# Allegro board 1156197-TDI_VU3P_QSFP28_CXP_V001_1023A-166-20241121_1644_PCB.brd (continued)
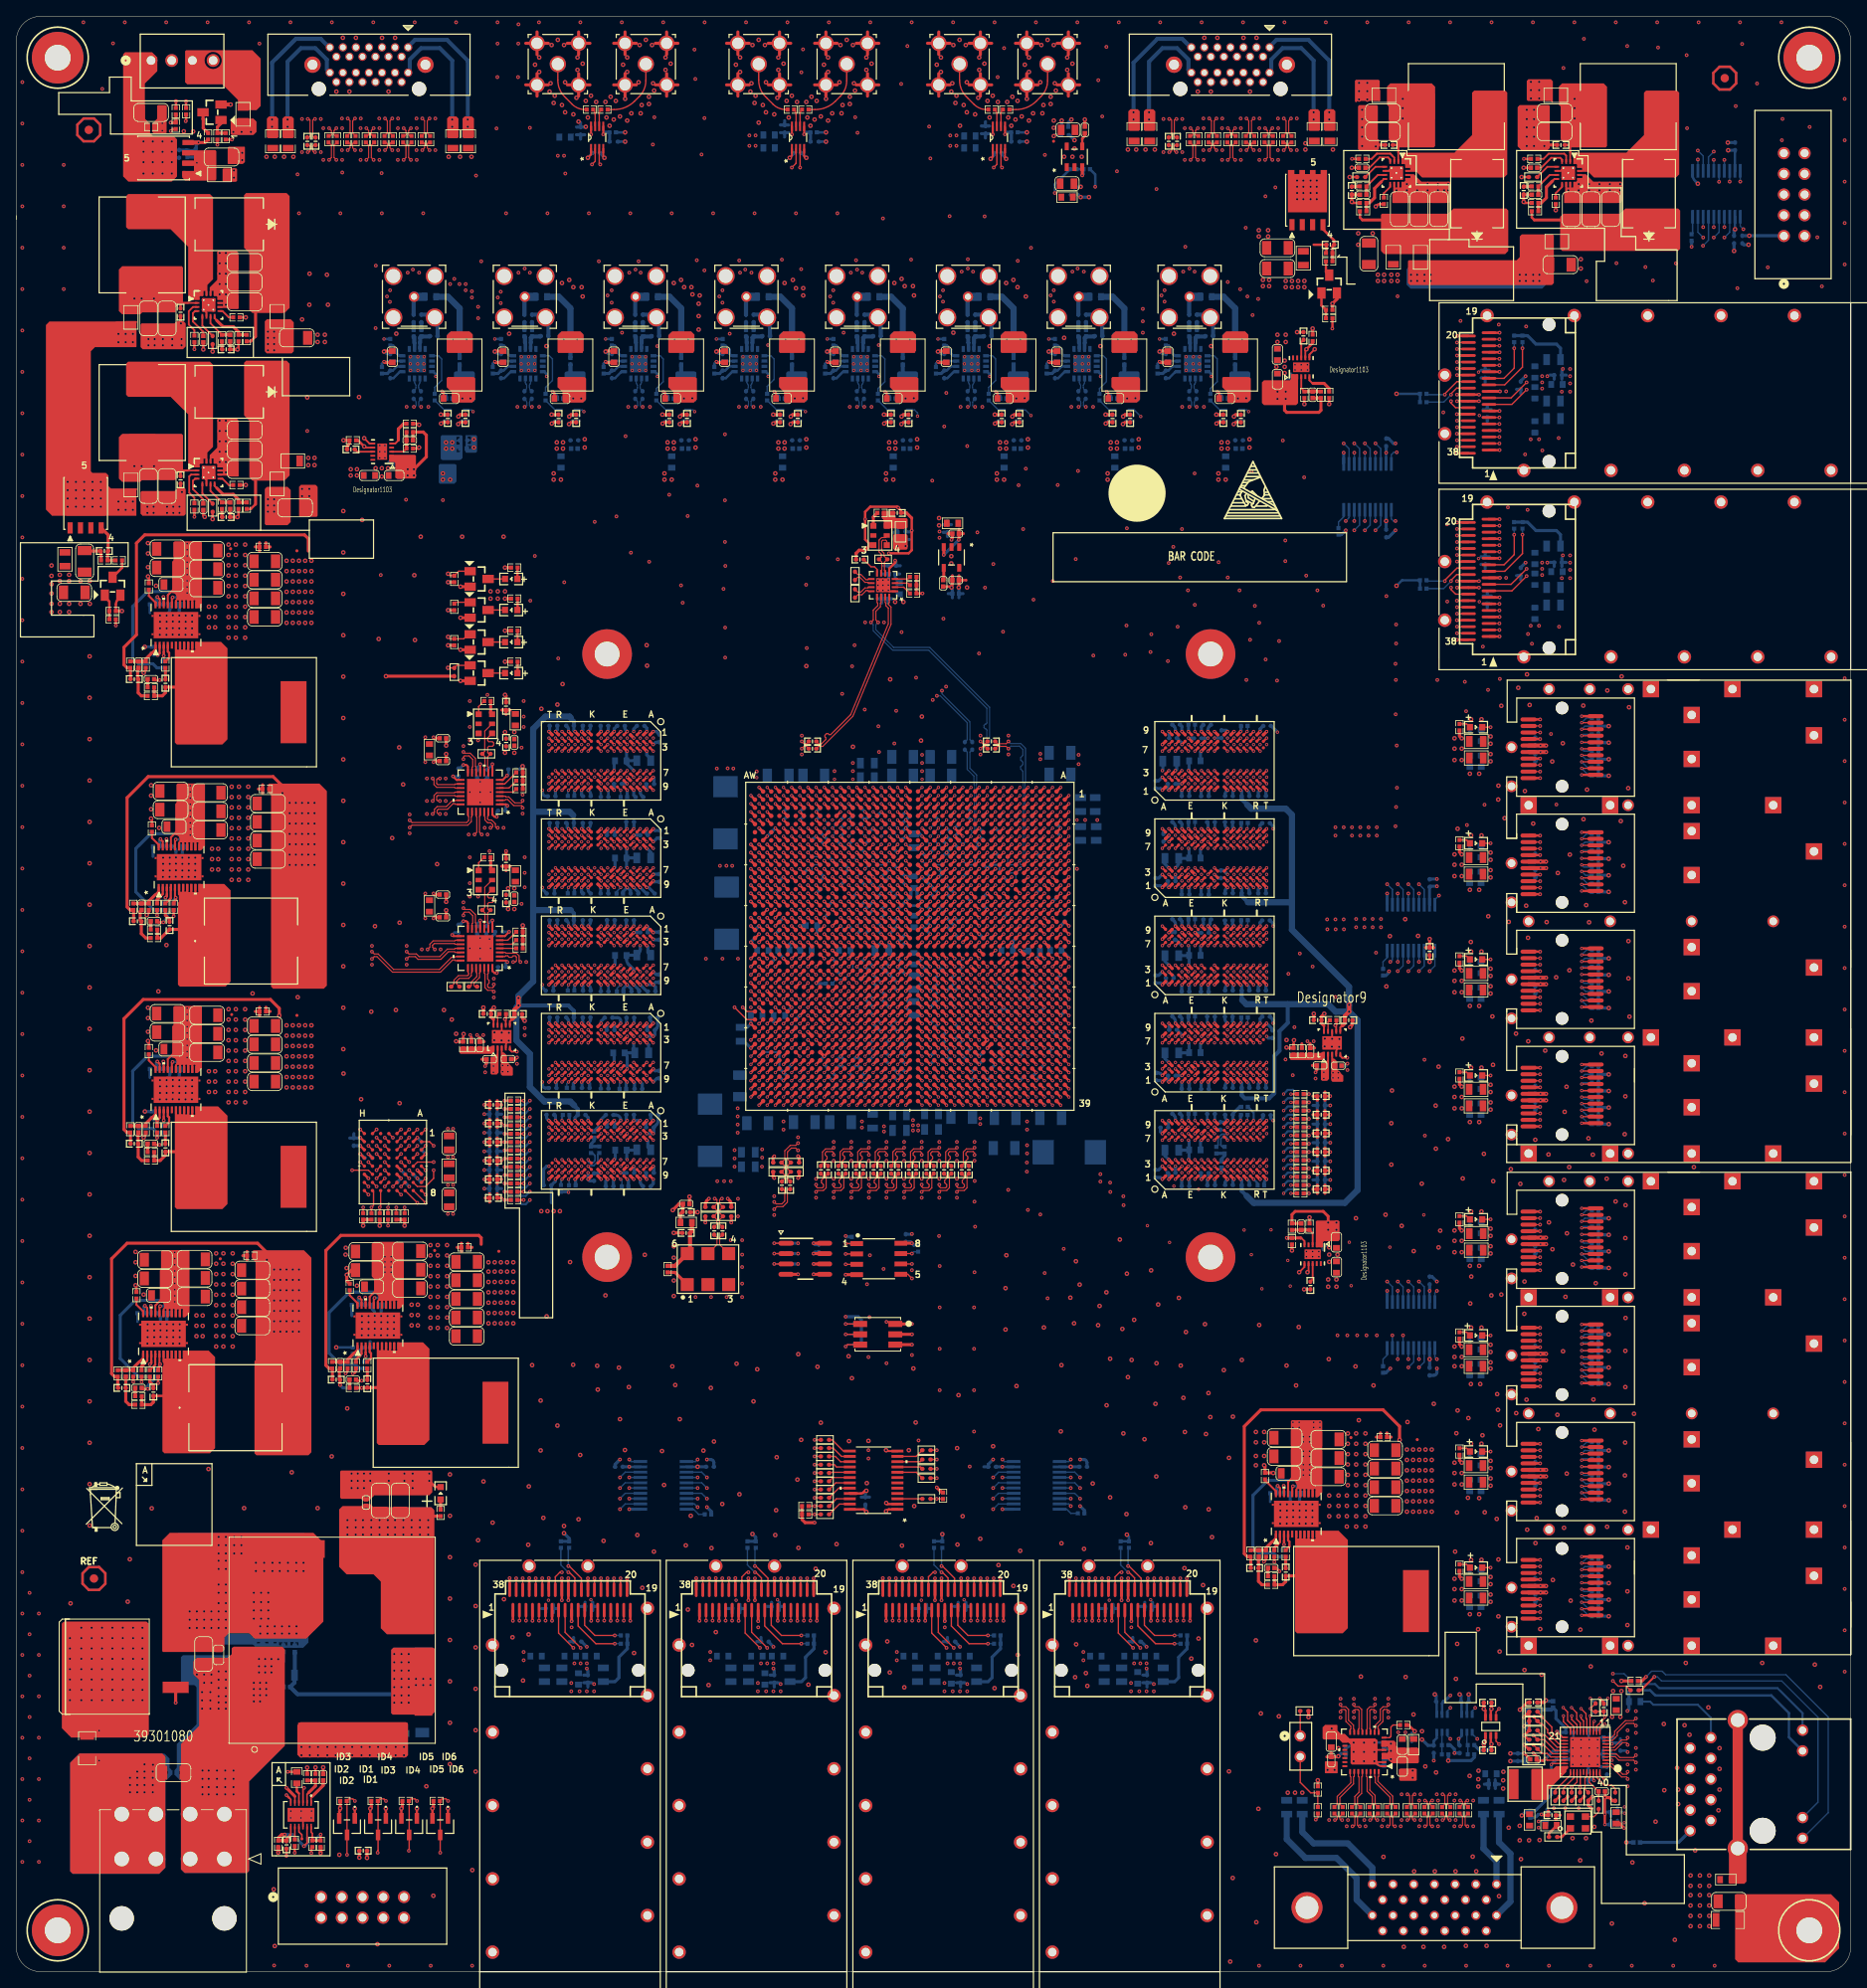
[diagram p0: board, top side]
## Nets (continued)
CHA_FPGA_DDR4_C1_DM1: U1.AK15(IO_L7P_T1L_N0_QBC_AD13P_67) U7.E2(UDM_N/UDBI_N)
CHA_FPGA_DDR4_C1_DM2: U1.AP16(IO_L13P_T2L_N0_GC_QBC_67) U8.E7(LDM_N/LDBI_N)
CHA_FPGA_DDR4_C1_DM3: U1.AV16(IO_L19P_T3L_N0_DBC_AD9P_67) U8.E2(UDM_N/UDBI_N)
CHA_FPGA_DDR4_C1_DM4: U1.AG19(IO_L1P_T0L_N0_DBC_66) U9.E7(LDM_N/LDBI_N)
CHA_FPGA_DDR4_C1_DM5: U1.AL18(IO_L7P_T1L_N0_QBC_AD13P_66) U9.E2(UDM_N/UDBI_N)
CHA_FPGA_DDR4_C1_DM6: U1.AP21(IO_L13P_T2L_N0_GC_QBC_66) U11.E7(LDM_N/LDBI_N)
CHA_FPGA_DDR4_C1_DM7: U1.AU20(IO_L19P_T3L_N0_DBC_AD9P_66) U11.E2(UDM_N/UDBI_N)
CHA_FPGA_DDR4_C1_DM8: U1.AR9(IO_L13P_T2L_N0_GC_QBC_68) U10.E7(LDM_N/LDBI_N)
CHA_FPGA_DDR4_C1_DM9: U1.AU9(IO_L19P_T3L_N0_DBC_AD9P_68) U10.E2(UDM_N/UDBI_N)
CHA_FPGA_DDR4_C1_DQS0_N: U1.AH15(IO_L4N_T0U_N7_DBC_AD7N_67) U7.F3(LDQS_C)
CHA_FPGA_DDR4_C1_DQS0_P: U1.AH16(IO_L4P_T0U_N6_DBC_AD7P_67) U7.G3(LDQS_T)
CHA_FPGA_DDR4_C1_DQS1_N: TP17.1(PIN1) U1.AL16(IO_L10N_T1U_N7_QBC_AD4N_67) U7.A7(UDQS_C)
CHA_FPGA_DDR4_C1_DQS1_P: TP16.1(PIN1) U1.AK16(IO_L10P_T1U_N6_QBC_AD4P_67) U7.B7(UDQS_T)
CHA_FPGA_DDR4_C1_DQS2_N: U1.AT13(IO_L16N_T2U_N7_QBC_AD3N_67) U8.F3(LDQS_C)
CHA_FPGA_DDR4_C1_DQS2_P: U1.AR13(IO_L16P_T2U_N6_QBC_AD3P_67) U8.G3(LDQS_T)
CHA_FPGA_DDR4_C1_DQS3_N: TP20.1(PIN1) U1.AV17(IO_L22N_T3U_N7_DBC_AD0N_67) U8.A7(UDQS_C)
CHA_FPGA_DDR4_C1_DQS3_P: TP19.1(PIN1) U1.AU17(IO_L22P_T3U_N6_DBC_AD0P_67) U8.B7(UDQS_T)
CHA_FPGA_DDR4_C1_DQS4_N: U1.AH20(IO_L4N_T0U_N7_DBC_AD7N_66) U9.F3(LDQS_C)
CHA_FPGA_DDR4_C1_DQS4_P: U1.AG20(IO_L4P_T0U_N6_DBC_AD7P_66) U9.G3(LDQS_T)
CHA_FPGA_DDR4_C1_DQS5_N: TP27.1(PIN1) U1.AL21(IO_L10N_T1U_N7_QBC_AD4N_66) U9.A7(UDQS_C)
CHA_FPGA_DDR4_C1_DQS5_P: TP25.1(PIN1) U1.AK21(IO_L10P_T1U_N6_QBC_AD4P_66) U9.B7(UDQS_T)
CHA_FPGA_DDR4_C1_DQS6_N: U1.AP22(IO_L16N_T2U_N7_QBC_AD3N_66) U11.F3(LDQS_C)
CHA_FPGA_DDR4_C1_DQS6_P: U1.AN22(IO_L16P_T2U_N6_QBC_AD3P_66) U11.G3(LDQS_T)
CHA_FPGA_DDR4_C1_DQS7_N: TP30.1(PIN1) U1.AV21(IO_L22N_T3U_N7_DBC_AD0N_66) U11.A7(UDQS_C)
CHA_FPGA_DDR4_C1_DQS7_P: TP29.1(PIN1) U1.AV22(IO_L22P_T3U_N6_DBC_AD0P_66) U11.B7(UDQS_T)
CHA_FPGA_DDR4_C1_DQS8_N: U1.AN11(IO_L16N_T2U_N7_QBC_AD3N_68) U10.F3(LDQS_C)
CHA_FPGA_DDR4_C1_DQS8_P: U1.AN12(IO_L16P_T2U_N6_QBC_AD3P_68) U10.G3(LDQS_T)
CHA_FPGA_DDR4_C1_DQS9_N: TP26.1(PIN1) U1.AU12(IO_L22N_T3U_N7_DBC_AD0N_68) U10.A7(UDQS_C)
CHA_FPGA_DDR4_C1_DQS9_P: TP24.1(PIN1) U1.AT12(IO_L22P_T3U_N6_DBC_AD0P_68) U10.B7(UDQS_T)
CHA_FPGA_DDR4_C1_ODT: R119.1 U1.AL8(IO_L8P_T1L_N2_AD5P_68) U7.K3(ODT) U8.K3(ODT) U9.K3(ODT) U10.K3(ODT) U11.K3(ODT)
CHA_FPGA_DDR4_C1_PARITY: R124.1 U1.AG12(IO_L1P_T0L_N0_DBC_68) U7.T3(PAR) U8.T3(PAR) U9.T3(PAR) U10.T3(PAR) U11.T3(PAR)
CHA_FPGA_DDR4_C1_RAS: R116.1 U1.AP7(IO_T2U_N12_68) U7.L8(RAS_N/A16) U8.L8(RAS_N/A16) U9.L8(RAS_N/A16) U10.L8(RAS_N/A16) U11.L8(RAS_N/A16)
CHA_FPGA_DDR4_C1_RESET: R94.2 U1.AK13(IO_T1U_N12_67) U7.P1(RESET_N) U8.P1(RESET_N) U9.P1(RESET_N) U10.P1(RESET_N) U11.P1(RESET_N)
CHA_FPGA_DDR4_C1_WE: R118.1 U1.AK11(IO_L9P_T1L_N4_AD12P_68) U7.L2(WE_N/A14) U8.L2(WE_N/A14) U9.L2(WE_N/A14) U10.L2(WE_N/A14) U11.L2(WE_N/A14)
CHA_FPGA_DDR4_C2_A0: R138.1 U1.J8(IO_L7P_T1L_N0_QBC_AD13P_47) U13.P3(A0) U14.P3(A0) U15.P3(A0) U16.P3(A0) U17.P3(A0)
CHA_FPGA_DDR4_C2_A1: R139.1 U1.M10(IO_L3N_T0L_N5_AD15N_47) U13.P7(A1) U14.P7(A1) U15.P7(A1) U16.P7(A1) U17.P7(A1)
CHA_FPGA_DDR4_C2_A2: R140.1 U1.J9(IO_L9N_T1L_N5_AD12N_47) U13.R3(A2) U14.R3(A2) U15.R3(A2) U16.R3(A2) U17.R3(A2)
CHA_FPGA_DDR4_C2_A3: R141.1 U1.N9(IO_L2P_T0L_N2_47) U13.N7(A3) U14.N7(A3) U15.N7(A3) U16.N7(A3) U17.N7(A3)
CHA_FPGA_DDR4_C2_A4: R142.1 U1.K10(IO_L6N_T0U_N11_AD6N_47) U13.N3(A4) U14.N3(A4) U15.N3(A4) U16.N3(A4) U17.N3(A4)
CHA_FPGA_DDR4_C2_A5: R143.1 U1.L12(IO_L4N_T0U_N7_DBC_AD7N_47) U13.P8(A5) U14.P8(A5) U15.P8(A5) U16.P8(A5) U17.P8(A5)
CHA_FPGA_DDR4_C2_A6: R144.1 U1.C9(IO_L19N_T3L_N1_DBC_AD9N_47) U13.P2(A6) U14.P2(A6) U15.P2(A6) U16.P2(A6) U17.P2(A6)
CHA_FPGA_DDR4_C2_A7: R145.1 U1.M11(IO_L3P_T0L_N4_AD15P_47) U13.R8(A7) U14.R8(A7) U15.R8(A7) U16.R8(A7) U17.R8(A7)
CHA_FPGA_DDR4_C2_A8: R146.1 U1.H7(IO_L7N_T1L_N1_QBC_AD13N_47) U13.R2(A8) U14.R2(A8) U15.R2(A8) U16.R2(A8) U17.R2(A8)
CHA_FPGA_DDR4_C2_A9: R147.1 U1.N12(IO_L1P_T0L_N0_DBC_47) U13.R7(A9) U14.R7(A9) U15.R7(A9) U16.R7(A9) U17.R7(A9)
CHA_FPGA_DDR4_C2_A10: R148.1 U1.J10(IO_L9P_T1L_N4_AD12P_47) U13.M3(A10/AP) U14.M3(A10/AP) U15.M3(A10/AP) U16.M3(A10/AP) U17.M3(A10/AP)
CHA_FPGA_DDR4_C2_A11: R149.1 U1.H9(IO_L8P_T1L_N2_AD5P_47) U13.T2(A11) U14.T2(A11) U15.T2(A11) U16.T2(A11) U17.T2(A11)
CHA_FPGA_DDR4_C2_A12: R150.1 U1.M9(IO_L2N_T0L_N3_47) U13.M7(A12/BC_N) U14.M7(A12/BC_N) U15.M7(A12/BC_N) U16.M7(A12/BC_N) U17.M7(A12/BC_N)
CHA_FPGA_DDR4_C2_A13: R151.1 U1.M12(IO_L4P_T0U_N6_DBC_AD7P_47) U13.T8(A13) U14.T8(A13) U15.T8(A13) U16.T8(A13) U17.T8(A13)
CHA_FPGA_DDR4_C2_ACT: R165.1 U1.C13(IO_T3U_N12_47) U13.L3(ACT_B) U14.L3(ACT_B) U15.L3(ACT_B) U16.L3(ACT_B) U17.L3(ACT_B)
CHA_FPGA_DDR4_C2_ALERT: R135.2 R136.2 U1.C17(IO_T3U_N12_48) U13.P9(ALERT_N) U14.P9(ALERT_N) U15.P9(ALERT_N) U16.P9(ALERT_N) U17.P9(ALERT_N)
CHA_FPGA_DDR4_C2_BA0: R152.1 U1.H11(IO_L11N_T1U_N9_GC_47) U13.N2(BA0) U14.N2(BA0) U15.N2(BA0) U16.N2(BA0) U17.N2(BA0)
CHA_FPGA_DDR4_C2_BA1: R153.1 U1.K12(IO_T1U_N12_47) U13.N8(BA1) U14.N8(BA1) U15.N8(BA1) U16.N8(BA1) U17.N8(BA1)
CHA_FPGA_DDR4_C2_BG0: R159.1 U1.H8(IO_L8N_T1L_N3_AD5N_47) U13.M2(BG0) U14.M2(BG0) U15.M2(BG0) U16.M2(BG0) U17.M2(BG0)
CHA_FPGA_DDR4_C2_CAS: R160.1 U1.L10(IO_L5P_T0U_N8_AD14P_47) U13.M8(CAS_N/A15) U14.M8(CAS_N/A15) U15.M8(CAS_N/A15) U16.M8(CAS_N/A15) U17.M8(CAS_N/A15)
CHA_FPGA_DDR4_C2_CK_N: R169.1 U1.G12(IO_L10N_T1U_N7_QBC_AD4N_47) U13.K8(CK_C) U14.K8(CK_C) U15.K8(CK_C) U16.K8(CK_C) U17.K8(CK_C)
CHA_FPGA_DDR4_C2_CK_P: R168.1 U1.H12(IO_L10P_T1U_N6_QBC_AD4P_47) U13.K7(CK_T) U14.K7(CK_T) U15.K7(CK_T) U16.K7(CK_T) U17.K7(CK_T)
CHA_FPGA_DDR4_C2_CKE: R163.1 U1.D10(IO_T2U_N12_47) U13.K2(CKE) U14.K2(CKE) U15.K2(CKE) U16.K2(CKE) U17.K2(CKE)
CHA_FPGA_DDR4_C2_CS: R156.1 U1.L9(IO_L5N_T0U_N9_AD14N_47) U13.L7(CS_B) U14.L7(CS_B) U15.L7(CS_B) U16.L7(CS_B) U17.L7(CS_B)
CHA_FPGA_DDR4_C2_D0: U1.N16(IO_L3P_T0L_N4_AD15P_48) U13.G2(DQ0)
CHA_FPGA_DDR4_C2_D1: U1.M15(IO_L5P_T0U_N8_AD14P_48) U13.F7(DQ1)
CHA_FPGA_DDR4_C2_D2: U1.N17(IO_L2N_T0L_N3_48) U13.H3(DQ2)
CHA_FPGA_DDR4_C2_D3: U1.M16(IO_L3N_T0L_N5_AD15N_48) U13.H7(DQ3)
CHA_FPGA_DDR4_C2_D4: U1.M17(IO_L6P_T0U_N10_AD6P_48) U13.H2(DQ4)
CHA_FPGA_DDR4_C2_D5: U1.M14(IO_L5N_T0U_N9_AD14N_48) U13.H8(DQ5)
CHA_FPGA_DDR4_C2_D6: U1.N18(IO_L2P_T0L_N2_48) U13.J3(DQ6)
CHA_FPGA_DDR4_C2_D7: U1.L17(IO_L6N_T0U_N11_AD6N_48) U13.J7(DQ7)
CHA_FPGA_DDR4_C2_D8: U1.J15(IO_L11N_T1U_N9_GC_48) U13.A3(DQ8)
CHA_FPGA_DDR4_C2_D9: U1.H14(IO_L9N_T1L_N5_AD12N_48) U13.B8(DQ9)
CHA_FPGA_DDR4_C2_D10: U1.J16(IO_L12P_T1U_N10_GC_48) U13.C3(DQ10)
CHA_FPGA_DDR4_C2_D11: U1.J14(IO_L9P_T1L_N4_AD12P_48) U13.C7(DQ11)
CHA_FPGA_DDR4_C2_D12: U1.K15(IO_L11P_T1U_N8_GC_48) U13.C2(DQ12)
CHA_FPGA_DDR4_C2_D13: U1.K13(IO_L8N_T1L_N3_AD5N_48) U13.C8(DQ13)
CHA_FPGA_DDR4_C2_D14: U1.H16(IO_L12N_T1U_N11_GC_48) U13.D3(DQ14)
CHA_FPGA_DDR4_C2_D15: TP31.1(PIN1) U1.L13(IO_L8P_T1L_N2_AD5P_48) U13.D7(DQ15)
CHA_FPGA_DDR4_C2_D16: U1.G17(IO_L15P_T2L_N4_AD11P_48) U14.G2(DQ0)
CHA_FPGA_DDR4_C2_D17: U1.F14(IO_L14N_T2L_N3_GC_48) U14.F7(DQ1)
CHA_FPGA_DDR4_C2_D18: U1.E15(IO_L17N_T2U_N9_AD10N_48) U14.H3(DQ2)
CHA_FPGA_DDR4_C2_D19: U1.F15(IO_L14P_T2L_N2_GC_48) U14.H7(DQ3)
CHA_FPGA_DDR4_C2_D20: U1.F17(IO_L18P_T2U_N10_AD2P_48) U14.H2(DQ4)
CHA_FPGA_DDR4_C2_D21: U1.G16(IO_L15N_T2L_N5_AD11N_48) U14.H8(DQ5)
CHA_FPGA_DDR4_C2_D22: U1.E17(IO_L18N_T2U_N11_AD2N_48) U14.J3(DQ6)
CHA_FPGA_DDR4_C2_D23: U1.E16(IO_L17P_T2U_N8_AD10P_48) U14.J7(DQ7)
CHA_FPGA_DDR4_C2_D24: U1.C16(IO_L21P_T3L_N4_AD8P_48) U14.A3(DQ8)
CHA_FPGA_DDR4_C2_D25: U1.B14(IO_L23P_T3U_N8_48) U14.B8(DQ9)
CHA_FPGA_DDR4_C2_D26: U1.A14(IO_L23N_T3U_N9_48) U14.C3(DQ10)
CHA_FPGA_DDR4_C2_D27: U1.B16(IO_L21N_T3L_N5_AD8N_48) U14.C7(DQ11)
CHA_FPGA_DDR4_C2_D28: U1.B17(IO_L24P_T3U_N10_48) U14.C2(DQ12)
CHA_FPGA_DDR4_C2_D29: U1.D16(IO_L20P_T3L_N2_AD1P_48) U14.C8(DQ13)
CHA_FPGA_DDR4_C2_D30: U1.A17(IO_L24N_T3U_N11_48) U14.D3(DQ14)
CHA_FPGA_DDR4_C2_D31: TP34.1(PIN1) U1.D15(IO_L20N_T3L_N3_AD1N_48) U14.D7(DQ15)
CHA_FPGA_DDR4_C2_D32: U1.B22(IO_L2P_T0L_N2_46) U15.G2(DQ0)
CHA_FPGA_DDR4_C2_D33: U1.A19(IO_L3P_T0L_N4_AD15P_46) U15.F7(DQ1)
CHA_FPGA_DDR4_C2_D34: U1.C19(IO_L6P_T0U_N10_AD6P_46) U15.H3(DQ2)
CHA_FPGA_DDR4_C2_D35: U1.A18(IO_L3N_T0L_N5_AD15N_46) U15.H7(DQ3)
CHA_FPGA_DDR4_C2_D36: U1.D18(IO_L5P_T0U_N8_AD14P_46) U15.H2(DQ4)
CHA_FPGA_DDR4_C2_D37: U1.B19(IO_L6N_T0U_N11_AD6N_46) U15.H8(DQ5)
CHA_FPGA_DDR4_C2_D38: U1.A22(IO_L2N_T0L_N3_46) U15.J3(DQ6)
CHA_FPGA_DDR4_C2_D39: U1.C18(IO_L5N_T0U_N9_AD14N_46) U15.J7(DQ7)
CHA_FPGA_DDR4_C2_D40: U1.G20(IO_L11P_T1U_N8_GC_46) U15.A3(DQ8)
CHA_FPGA_DDR4_C2_D41: U1.D21(IO_L8N_T1L_N3_AD5N_46) U15.B8(DQ9)
CHA_FPGA_DDR4_C2_D42: U1.G19(IO_L11N_T1U_N9_GC_46) U15.C3(DQ10)
CHA_FPGA_DDR4_C2_D43: U1.F20(IO_L12P_T1U_N10_GC_46) U15.C7(DQ11)
CHA_FPGA_DDR4_C2_D44: U1.E21(IO_L8P_T1L_N2_AD5P_46) U15.C2(DQ12)
CHA_FPGA_DDR4_C2_D45: U1.F19(IO_L12N_T1U_N11_GC_46) U15.C8(DQ13)
CHA_FPGA_DDR4_C2_D46: U1.E18(IO_L9N_T1L_N5_AD12N_46) U15.D3(DQ14)
CHA_FPGA_DDR4_C2_D47: TP39.1(PIN1) U1.F18(IO_L9P_T1L_N4_AD12P_46) U15.D7(DQ15)
CHA_FPGA_DDR4_C2_D48: U1.K18(IO_L17P_T2U_N8_AD10P_46) U17.G2(DQ0)
CHA_FPGA_DDR4_C2_D49: U1.G22(IO_L14P_T2L_N2_GC_46) U17.F7(DQ1)
CHA_FPGA_DDR4_C2_D50: U1.G21(IO_L14N_T2L_N3_GC_46) U17.H3(DQ2)
CHA_FPGA_DDR4_C2_D51: U1.J20(IO_L15P_T2L_N4_AD11P_46) U17.H7(DQ3)
CHA_FPGA_DDR4_C2_D52: U1.J18(IO_L17N_T2U_N9_AD10N_46) U17.H2(DQ4)
CHA_FPGA_DDR4_C2_D53: U1.J19(IO_L15N_T2L_N5_AD11N_46) U17.H8(DQ5)
CHA_FPGA_DDR4_C2_D54: U1.H18(IO_L18N_T2U_N11_AD2N_46) U17.J3(DQ6)
CHA_FPGA_DDR4_C2_D55: U1.H19(IO_L18P_T2U_N10_AD2P_46) U17.J7(DQ7)
CHA_FPGA_DDR4_C2_D56: U1.M21(IO_L24N_T3U_N11_46) U17.A3(DQ8)
CHA_FPGA_DDR4_C2_D57: U1.M20(IO_L21P_T3L_N4_AD8P_46) U17.B8(DQ9)
CHA_FPGA_DDR4_C2_D58: U1.N19(IO_L23P_T3U_N8_46) U17.C3(DQ10)
CHA_FPGA_DDR4_C2_D59: U1.M19(IO_L23N_T3U_N9_46) U17.C7(DQ11)
CHA_FPGA_DDR4_C2_D60: U1.M22(IO_L24P_T3U_N10_46) U17.C2(DQ12)
CHA_FPGA_DDR4_C2_D61: U1.L18(IO_L20N_T3L_N3_AD1N_46) U17.C8(DQ13)
CHA_FPGA_DDR4_C2_D62: U1.L20(IO_L21N_T3L_N5_AD8N_46) U17.D3(DQ14)
CHA_FPGA_DDR4_C2_D63: TP44.1(PIN1) U1.L19(IO_L20P_T3L_N2_AD1P_46) U17.D7(DQ15)
CHA_FPGA_DDR4_C2_D64: U1.F9(IO_L14N_T2L_N3_GC_47) U16.G2(DQ0)
CHA_FPGA_DDR4_C2_D65: U1.F8(IO_L15P_T2L_N4_AD11P_47) U16.F7(DQ1)
CHA_FPGA_DDR4_C2_D66: U1.E8(IO_L15N_T2L_N5_AD11N_47) U16.H3(DQ2)
CHA_FPGA_DDR4_C2_D67: U1.G9(IO_L14P_T2L_N2_GC_47) U16.H7(DQ3)
CHA_FPGA_DDR4_C2_D68: U1.E11(IO_L17P_T2U_N8_AD10P_47) U16.H2(DQ4)
CHA_FPGA_DDR4_C2_D69: U1.F12(IO_L18P_T2U_N10_AD2P_47) U16.H8(DQ5)
CHA_FPGA_DDR4_C2_D70: U1.D11(IO_L17N_T2U_N9_AD10N_47) U16.J3(DQ6)
CHA_FPGA_DDR4_C2_D71: TP37.1(PIN1) U1.E12(IO_L18N_T2U_N11_AD2N_47) U16.J7(DQ7)
CHA_FPGA_DDR4_C2_D72: U1.A12(IO_L24N_T3U_N11_47) U16.A3(DQ8)
CHA_FPGA_DDR4_C2_D73: U1.A9(IO_L20N_T3L_N3_AD1N_47) U16.B8(DQ9)
CHA_FPGA_DDR4_C2_D74: U1.B12(IO_L23N_T3U_N9_47) U16.C3(DQ10)
CHA_FPGA_DDR4_C2_D75: U1.B11(IO_L21N_T3L_N5_AD8N_47) U16.C7(DQ11)
CHA_FPGA_DDR4_C2_D76: U1.A13(IO_L24P_T3U_N10_47) U16.C2(DQ12)
CHA_FPGA_DDR4_C2_D77: U1.B9(IO_L20P_T3L_N2_AD1P_47) U16.C8(DQ13)
CHA_FPGA_DDR4_C2_D78: U1.C11(IO_L21P_T3L_N4_AD8P_47) U16.D3(DQ14)
CHA_FPGA_DDR4_C2_D79: TP38.1(PIN1) U1.C12(IO_L23P_T3U_N8_47) U16.D7(DQ15)
CHA_FPGA_DDR4_C2_DM0: U1.P14(IO_L1P_T0L_N0_DBC_48) U13.E7(LDM_N/LDBI_N)
CHA_FPGA_DDR4_C2_DM1: U1.J13(IO_L7P_T1L_N0_QBC_AD13P_48) U13.E2(UDM_N/UDBI_N)
CHA_FPGA_DDR4_C2_DM2: U1.G15(IO_L13P_T2L_N0_GC_QBC_48) U14.E7(LDM_N/LDBI_N)
CHA_FPGA_DDR4_C2_DM3: U1.D14(IO_L19P_T3L_N0_DBC_AD9P_48) U14.E2(UDM_N/UDBI_N)
CHA_FPGA_DDR4_C2_DM4: U1.B20(IO_L1P_T0L_N0_DBC_46) U15.E7(LDM_N/LDBI_N)
CHA_FPGA_DDR4_C2_DM5: U1.E20(IO_L7P_T1L_N0_QBC_AD13P_46) U15.E2(UDM_N/UDBI_N)
CHA_FPGA_DDR4_C2_DM6: U1.H22(IO_L13P_T2L_N0_GC_QBC_46) U17.E7(LDM_N/LDBI_N)
CHA_FPGA_DDR4_C2_DM7: U1.N22(IO_L19P_T3L_N0_DBC_AD9P_46) U17.E2(UDM_N/UDBI_N)
CHA_FPGA_DDR4_C2_DM8: U1.F10(IO_L13P_T2L_N0_GC_QBC_47) U16.E7(LDM_N/LDBI_N)
CHA_FPGA_DDR4_C2_DM9: U1.D9(IO_L19P_T3L_N0_DBC_AD9P_47) U16.E2(UDM_N/UDBI_N)
CHA_FPGA_DDR4_C2_DQS0_N: U1.L14(IO_L4N_T0U_N7_DBC_AD7N_48) U13.F3(LDQS_C)
CHA_FPGA_DDR4_C2_DQS0_P: U1.L15(IO_L4P_T0U_N6_DBC_AD7P_48) U13.G3(LDQS_T)
CHA_FPGA_DDR4_C2_DQS1_N: TP33.1(PIN1) U1.K16(IO_L10N_T1U_N7_QBC_AD4N_48) U13.A7(UDQS_C)
CHA_FPGA_DDR4_C2_DQS1_P: TP32.1(PIN1) U1.K17(IO_L10P_T1U_N6_QBC_AD4P_48) U13.B7(UDQS_T)
CHA_FPGA_DDR4_C2_DQS2_N: U1.E13(IO_L16N_T2U_N7_QBC_AD3N_48) U14.F3(LDQS_C)
CHA_FPGA_DDR4_C2_DQS2_P: U1.F13(IO_L16P_T2U_N6_QBC_AD3P_48) U14.G3(LDQS_T)
CHA_FPGA_DDR4_C2_DQS3_N: TP36.1(PIN1) U1.A15(IO_L22N_T3U_N7_DBC_AD0N_48) U14.A7(UDQS_C)
CHA_FPGA_DDR4_C2_DQS3_P: TP35.1(PIN1) U1.B15(IO_L22P_T3U_N6_DBC_AD0P_48) U14.B7(UDQS_T)
CHA_FPGA_DDR4_C2_DQS4_N: U1.B21(IO_L4N_T0U_N7_DBC_AD7N_46) U15.F3(LDQS_C)
CHA_FPGA_DDR4_C2_DQS4_P: U1.C21(IO_L4P_T0U_N6_DBC_AD7P_46) U15.G3(LDQS_T)
CHA_FPGA_DDR4_C2_DQS5_N: TP43.1(PIN1) U1.E22(IO_L10N_T1U_N7_QBC_AD4N_46) U15.A7(UDQS_C)
CHA_FPGA_DDR4_C2_DQS5_P: TP41.1(PIN1) U1.F22(IO_L10P_T1U_N6_QBC_AD4P_46) U15.B7(UDQS_T)
CHA_FPGA_DDR4_C2_DQS6_N: U1.K20(IO_L16N_T2U_N7_QBC_AD3N_46) U17.F3(LDQS_C)
CHA_FPGA_DDR4_C2_DQS6_P: U1.K21(IO_L16P_T2U_N6_QBC_AD3P_46) U17.G3(LDQS_T)
CHA_FPGA_DDR4_C2_DQS7_N: TP46.1(PIN1) U1.K22(IO_L22N_T3U_N7_DBC_AD0N_46) U17.A7(UDQS_C)
CHA_FPGA_DDR4_C2_DQS7_P: TP45.1(PIN1) U1.L22(IO_L22P_T3U_N6_DBC_AD0P_46) U17.B7(UDQS_T)
CHA_FPGA_DDR4_C2_DQS8_N: U1.F7(IO_L16N_T2U_N7_QBC_AD3N_47) U16.F3(LDQS_C)
CHA_FPGA_DDR4_C2_DQS8_P: U1.G7(IO_L16P_T2U_N6_QBC_AD3P_47) U16.G3(LDQS_T)
CHA_FPGA_DDR4_C2_DQS9_N: TP42.1(PIN1) U1.A10(IO_L22N_T3U_N7_DBC_AD0N_47) U16.A7(UDQS_C)
CHA_FPGA_DDR4_C2_DQS9_P: TP40.1(PIN1) U1.B10(IO_L22P_T3U_N6_DBC_AD0P_47) U16.B7(UDQS_T)
CHA_FPGA_DDR4_C2_ODT: R162.1 U1.E10(IO_L13N_T2L_N1_GC_QBC_47) U13.K3(ODT) U14.K3(ODT) U15.K3(ODT) U16.K3(ODT) U17.K3(ODT)
CHA_FPGA_DDR4_C2_PARITY: R167.1 U1.N11(IO_L1N_T0L_N1_DBC_47) U13.T3(PAR) U14.T3(PAR) U15.T3(PAR) U16.T3(PAR) U17.T3(PAR)
CHA_FPGA_DDR4_C2_RAS: R157.1 U1.K11(IO_L6P_T0U_N10_AD6P_47) U13.L8(RAS_N/A16) U14.L8(RAS_N/A16) U15.L8(RAS_N/A16) U16.L8(RAS_N/A16) U17.L8(RAS_N/A16)
CHA_FPGA_DDR4_C2_RESET: R137.2 U1.H17(IO_T1U_N12_48) U13.P1(RESET_N) U14.P1(RESET_N) U15.P1(RESET_N) U16.P1(RESET_N) U17.P1(RESET_N)
CHA_FPGA_DDR4_C2_WE: R161.1 U1.J11(IO_L11P_T1U_N8_GC_47) U13.L2(WE_N/A14) U14.L2(WE_N/A14) U15.L2(WE_N/A14) U16.L2(WE_N/A14) U17.L2(WE_N/A14)
CHA_FPGA_DONE_B: Q1.1(GATE) R10.2 U1.U9(DONE_0)
CHA_FPGA_INIT_B: R2.2 R4.2 U1.T10(INIT_B_0)
CHA_FPGA_MODE0: R15.2 R16.1 U1.P9(M0_0)
CHA_FPGA_MODE1: R13.2 R14.1 U1.P8(M1_0)
CHA_FPGA_MODE2: R11.2 R12.1 U1.P10(M2_0)
CHA_FPGA_POR_OVERRIDE: R8.2 R9.1 U1.V8(POR_OVERRIDE)
CHA_FPGA_PROG_B: R3.2 U1.V10(PROGRAM_B_0)
CHA_FPGA_PUDC_B: R5.2 R6.1 U1.U8(PUDC_B_0)
CHA_FPGA_TCK: D4.3 J1.1 R17.1 U1.Y10(TCK_0)
CHA_FPGA_TDI: D1.3 J1.9 R20.1 U1.AC9(TDI_0)
CHA_FPGA_TDO: D3.3 J1.3 R18.1 U1.Y9(TDO_0)
CHA_FPGA_TMS: D2.3 J1.5 R19.1 U1.AD10(TMS_0)
CHA_GPIO_1V8_1: U1.F27(IO_L8P_T1L_N2_AD5P_45) U4.1(A1)
CHA_GPIO_1V8_2: U1.E26(IO_L9N_T1L_N5_AD12N_45) U4.3(A2)
CHA_GPIO_1V8_3: U1.D25(IO_L7P_T1L_N0_QBC_AD13P_45) U4.4(A3)
CHA_GPIO_1V8_4: U1.E25(IO_L9P_T1L_N4_AD12P_45) U4.5(A4)
CHA_GPIO_1V8_5: U1.G25(IO_L11N_T1U_N9_GC_45) U4.6(A5)
CHA_GPIO_1V8_6: U1.F25(IO_L12N_T1U_N11_GC_45) U4.7(A6)
CHA_GPIO_1V8_8: U1.F23(IO_L10P_T1U_N6_QBC_AD4P_45) U64.2(A1)
CHA_GPIO_1V8_9: U1.G24(IO_L11P_T1U_N8_GC_45) U64.3(A2)
CHA_GPIO_1V8_10: U1.F24(IO_L12P_T1U_N10_GC_45) U66.2(A1)
CHA_GPIO_1V8_11: U1.E23(IO_L10N_T1U_N7_QBC_AD4N_45) U66.3(A2)
CHA_GPIO_1V8_12: U1.E27(IO_L8N_T1L_N3_AD5N_45) U65.2(A1)
CHA_GPIO_1V8_13: U1.D26(IO_L7N_T1L_N1_QBC_AD13N_45) U65.3(A2)
CHA_GPIO_3V3_1: J2.3 U4.20(B1)
CHA_GPIO_3V3_2: J2.5 U4.18(B2)
CHA_GPIO_3V3_3: J2.7 U4.17(B3)
CHA_GPIO_3V3_4: J2.4 U4.16(B4)
CHA_GPIO_3V3_5: J2.6 U4.15(B5)
CHA_GPIO_3V3_6: J2.8 U4.14(B6)
CHA_MGTAVCC: C123.1(CAP2) C124.1(CAP2) C125.1(CAP2) C126.1(CAP2) C189.1(CAP2) C190.1(CAP2) C191.1(CAP2) C192.1(CAP2) C193.1(CAP2) C194.1(CAP2) C195.1(CAP2) C196.1(CAP2) C197.1(CAP2) C198.1(CAP2) C199.1(CAP2) C200.1(CAP2) C201.1(CAP2) C202.1(CAP2) C203.1(CAP2) C204.1(CAP2) C205.1(CAP2) C206.1(CAP2) C207.1(CAP2) C208.1(CAP2) C209.2(CAP1) C210.2(CAP1) C211.2(CAP1) C212.2(CAP1) C213.2(CAP1) C214.2(CAP1) C215.2(CAP1) C216.2(CAP1) C217.2(CAP1) C218.2(CAP1) C715.2(CAP1) C718.1(CAP2) C719.1(CAP2) C720.1(CAP2) C721.1(CAP2) L77.2 R385.2 R392.2 R395.2 TP55.1(PIN1) U1.AD7(MGTAVCC0_R) U1.AD33(MGTAVCC0_L) U1.AE5(MGTAVCC1_R) U1.AE35(MGTAVCC1_L) U1.AH7(MGTAVCC2_R) U1.AH33(MGTAVCC2_L) U1.AK6(MGTAVCC3_R) U1.AK34(MGTAVCC3_L) U1.K6(MGTAVCC4_R) U1.K34(MGTAVCC4_L) U1.M7(MGTAVCC5_R) U1.M33(MGTAVCC5_L) U1.T7(MGTAVCC6_R) U1.T33(MGTAVCC6_L) U1.Y5(MGTAVCC7_R) U1.Y7(MGTAVCC8_R) U1.Y33(MGTAVCC7_L) U1.Y35(MGTAVCC8_L)
CHA_MGTAVCC_EN: R382.1 U47.2(EN)
CHA_MGTAVCC_GOOD: R394.2 R407.2 U47.3(PGOOD)
CHA_MGTAVTT: C127.1(CAP2) C128.1(CAP2) C129.1(CAP2) C130.1(CAP2) C131.1(CAP2) C149.1(CAP2) C150.1(CAP2) C151.1(CAP2) C152.1(CAP2) C153.1(CAP2) C154.1(CAP2) C155.1(CAP2) C156.1(CAP2) C157.1(CAP2) C158.1(CAP2) C159.1(CAP2) C160.1(CAP2) C161.1(CAP2) C162.1(CAP2) C163.1(CAP2) C164.1(CAP2) C165.1(CAP2) C166.1(CAP2) C167.1(CAP2) C168.1(CAP2) C169.2(CAP1) C170.2(CAP1) C171.2(CAP1) C172.2(CAP1) C173.2(CAP1) C174.2(CAP1) C175.2(CAP1) C176.2(CAP1) C177.2(CAP1) C178.2(CAP1) C730.2(CAP1) C733.1(CAP2) C734.1(CAP2) C735.1(CAP2) C736.1(CAP2) L78.1 R82.1 R83.1 R397.1 R404.2 TP56.1(PIN1) U1.AA4(MGTAVTT0_R) U1.AA36(MGTAVTT0_L) U1.AC5(MGTAVTT1_R) U1.AC35(MGTAVTT1_L) U1.AG5(MGTAVTT2_R) U1.AG35(MGTAVTT2_L) U1.AJ5(MGTAVTT3_R) U1.AJ35(MGTAVTT3_L) U1.AL5(MGTAVTT4_R) U1.AL35(MGTAVTT4_L) U1.AN5(MGTAVTT5_R) U1.AN35(MGTAVTT5_L) U1.AR5(MGTAVTT6_R) U1.AR35(MGTAVTT6_L) U1.AT6(MGTAVTT7_R) U1.AT34(MGTAVTT7_L) U1.AV7(MGTAVTTRCAL_R) U1.AV33(MGTAVTTRCAL_L) U1.B7(MGTAVTT8_R) U1.B33(MGTAVTT8_L) U1.D6(MGTAVTT9_R) U1.D34(MGTAVTT9_L) U1.E5(MGTAVTT10_R) U1.E35(MGTAVTT10_L) U1.G5(MGTAVTT11_R) U1.G35(MGTAVTT11_L) U1.J5(MGTAVTT12_R) U1.J35(MGTAVTT12_L) U1.L5(MGTAVTT13_R) U1.L35(MGTAVTT13_L) U1.N5(MGTAVTT14_R) U1.N35(MGTAVTT14_L) U1.R5(MGTAVTT15_R) U1.R35(MGTAVTT15_L) U1.U5(MGTAVTT16_R) U1.U35(MGTAVTT16_L) U1.W4(MGTAVTT17_R) U1.W36(MGTAVTT17_L)
CHA_MGTAVTT_EN: R407.1 U48.2(EN)
CHA_MGTAVTT_GOOD: R405.2 R408.2 R425.2 U48.3(PGOOD)
CHA_MGTH224_RXN0: C551.2(CAP1) U1.AV3(MGTYRXN0_224)
CHA_MGTH224_RXN1: C547.2(CAP1) U1.AU1(MGTYRXN1_224)
CHA_MGTH224_RXN2: C575.2(CAP1) U1.AR1(MGTYRXN2_224)
CHA_MGTH224_RXN3: C571.2(CAP1) U1.AN1(MGTYRXN3_224)
CHA_MGTH224_RXP0: C549.2(CAP1) U1.AV4(MGTYRXP0_224)
CHA_MGTH224_RXP1: C545.2(CAP1) U1.AU2(MGTYRXP1_224)
CHA_MGTH224_RXP2: C573.2(CAP1) U1.AR2(MGTYRXP2_224)
CHA_MGTH224_RXP3: C569.2(CAP1) U1.AN2(MGTYRXP3_224)
CHA_MGTH225_RXN0: C599.2(CAP1) U1.AL1(MGTYRXN0_225)
CHA_MGTH225_RXN1: C595.2(CAP1) U1.AJ1(MGTYRXN1_225)
CHA_MGTH225_RXN2: C623.2(CAP1) U1.AG1(MGTYRXN2_225)
CHA_MGTH225_RXN3: C619.2(CAP1) U1.AE1(MGTYRXN3_225)
CHA_MGTH225_RXP0: C597.2(CAP1) U1.AL2(MGTYRXP0_225)
CHA_MGTH225_RXP1: C593.2(CAP1) U1.AJ2(MGTYRXP1_225)
CHA_MGTH225_RXP2: C621.2(CAP1) U1.AG2(MGTYRXP2_225)
CHA_MGTH225_RXP3: C617.2(CAP1) U1.AE2(MGTYRXP3_225)
CHA_MGTVCCAUX: C117.1(CAP2) C118.1(CAP2) C119.1(CAP2) C120.1(CAP2) C121.1(CAP2) C122.1 C132.1(CAP2) C133.1(CAP2) C134.1(CAP2) C135.1(CAP2) C136.1(CAP2) C763.1 C764.1 R423.2 TP61.1(PIN1) U1.AB7(MGTVCCAUX0_R) U1.AB33(MGTVCCAUX0_L) U1.AF7(MGTVCCAUX1_R) U1.AF33(MGTVCCAUX1_L) U1.P7(MGTVCCAUX2_R) U1.P33(MGTVCCAUX2_L) U1.V7(MGTVCCAUX3_R) U1.V33(MGTVCCAUX3_L) U52.5(VOUT)
CHA_MGTY_124_CLK0_N: C83.2(CAP1) U62.13(OUT0_N)
CHA_MGTY_124_CLK0_P: C80.2(CAP1) U62.12(OUT0_P)
CHA_MGTY_124_CLK1_N: C89.2(CAP1) U61.13(OUT0_N)
CHA_MGTY_124_CLK1_P: C86.2(CAP1) U61.12(OUT0_P)
CHA_MGTY_125_CLK0_N: C81.2(CAP1) U62.17(OUT1_N)
CHA_MGTY_125_CLK0_P: C78.2(CAP1) U62.16(OUT1_P)
CHA_MGTY_125_CLK1_N: C87.2(CAP1) U61.17(OUT1_N)
CHA_MGTY_125_CLK1_P: C84.2(CAP1) U61.16(OUT1_P)
CHA_MGTY_126_CLK0_N: C82.2(CAP1) U62.19(OUT2_N)
CHA_MGTY_126_CLK0_P: C79.2(CAP1) U62.18(OUT2_P)
CHA_MGTY_126_CLK1_N: C88.2(CAP1) U61.19(OUT2_N)
CHA_MGTY_126_CLK1_P: C85.2(CAP1) U61.18(OUT2_P)
CHA_MGTY_127_CLK0_N: C91.2(CAP1) U62.21(OUT3_N)
CHA_MGTY_127_CLK0_P: C90.2(CAP1) U62.20(OUT3_P)
CHA_MGTY_127_CLK1_N: C95.2(CAP1) U61.21(OUT3_N)
CHA_MGTY_127_CLK1_P: C93.2(CAP1) U61.20(OUT3_P)
CHA_MGTY_128_CLK0_N: C94.2(CAP1) U62.23(OUT4_N)
CHA_MGTY_128_CLK0_P: C92.2(CAP1) U62.22(OUT4_P)
CHA_MGTY_224_CLK0_N: C99.2(CAP1) U61.3(OUT7_N)
CHA_MGTY_224_CLK0_P: C98.2(CAP1) U61.2(OUT7_P)
CHA_MGTY_225_CLK0_N: C97.2(CAP1) U61.27(OUT6_N)
CHA_MGTY_225_CLK0_P: C96.2(CAP1) U61.26(OUT6_P)
CHA_MGTY_226_CLK0_N: C101.2(CAP1) U62.3(OUT7_N)
CHA_MGTY_226_CLK0_P: C100.2(CAP1) U62.2(OUT7_P)
CHA_MGTY_227_CLK0_N: C104.2(CAP1) U62.27(OUT6_N)
CHA_MGTY_227_CLK0_P: C102.2(CAP1) U62.26(OUT6_P)
CHA_MGTY_228_CLK0_N: C105.2(CAP1) U62.25(OUT5_N)
CHA_MGTY_228_CLK0_P: C103.2(CAP1) U62.24(OUT5_P)
CHA_QSFP2_I2C_SCL: J5.11(SCL) R245.2 R504.2
CHA_QSFP2_I2C_SDA: J5.12(SDA) R246.2 R501.2
CHA_QSFP2_INTL: J5.28(INTL) R248.2
CHA_QSFP2_LPMODE: J5.31(LPMODE) U21.16(B4)
CHA_QSFP2_LPMODE_1V8: U1.H26(IO_L13P_T2L_N0_GC_QBC_45) U21.5(A4)
CHA_QSFP2_MODPRSL: J5.27(MODPRSL) R247.2 U21.17(B3)
CHA_QSFP2_MODPRSL_1V8: U1.H23(IO_L16P_T2U_N6_QBC_AD3P_45) U21.4(A3)
CHA_QSFP2_MODSEIL: J5.8(MODSELL) U21.20(B1)
CHA_QSFP2_MODSEIL_1V8: U1.G26(IO_L14P_T2L_N2_GC_45) U21.1(A1)
CHA_QSFP2_RESETL: J5.9(RESETL) U21.18(B2)
CHA_QSFP2_RESETL_1V8: U1.H24(IO_L16N_T2U_N7_QBC_AD3N_45) U21.3(A2)
CHA_QSFP2_RX0_N: J5.18(RX1N) U1.AC1(MGTYRXN0_226)
CHA_QSFP2_RX0_P: J5.17(RX1P) U1.AC2(MGTYRXP0_226)
CHA_QSFP2_RX1_N: J5.21(RX2N) U1.AA1(MGTYRXN1_226)
CHA_QSFP2_RX1_P: J5.22(RX2P) U1.AA2(MGTYRXP1_226)
CHA_QSFP2_RX2_N: J5.15(RX3N) U1.W1(MGTYRXN2_226)
CHA_QSFP2_RX2_P: J5.14(RX3P) U1.W2(MGTYRXP2_226)
CHA_QSFP2_RX3_N: J5.24(RX4N) U1.U1(MGTYRXN3_226)
CHA_QSFP2_RX3_P: J5.25(RX4P) U1.U2(MGTYRXP3_226)
CHA_QSFP2_TX0_N: J5.37(TX1N) U1.AD4(MGTYTXN0_226)
CHA_QSFP2_TX0_P: J5.36(TX1P) U1.AD5(MGTYTXP0_226)
CHA_QSFP2_TX1_N: J5.2(TX2N) U1.AB4(MGTYTXN1_226)
CHA_QSFP2_TX1_P: J5.3(TX2P) U1.AB5(MGTYTXP1_226)
CHA_QSFP2_TX2_N: J5.34(TX3N) U1.V4(MGTYTXN2_226)
CHA_QSFP2_TX2_P: J5.33(TX3P) U1.V5(MGTYTXP2_226)
CHA_QSFP2_TX3_N: J5.5(TX4N) U1.T4(MGTYTXN3_226)
CHA_QSFP2_TX3_P: J5.6(TX4P) U1.T5(MGTYTXP3_226)
CHA_QSFP2_VCCI: C483.1 C484.1(CAP2) J5.30(VCCL) L24.2
CHA_QSFP2_VCCRX: C478.1 C479.1(CAP2) J5.10(VCCRX) L22.2
CHA_QSFP2_VCCTX: C480.1 C481.1(CAP2) J5.29(VCCTX) L23.2
CHA_QSFP3_I2C_SCL: J7.11(SCL) R249.2 R506.2
CHA_QSFP3_I2C_SDA: J7.12(SDA) R250.2 R505.2
CHA_QSFP3_INTL: J7.28(INTL) R252.2
CHA_QSFP3_LPMODE: J7.31(LPMODE) U21.12(B8)
CHA_QSFP3_LPMODE_1V8: U1.H27(IO_L13N_T2L_N1_GC_QBC_45) U21.9(A8)
CHA_QSFP3_MODPRSL: J7.27(MODPRSL) R251.2 U21.13(B7)
CHA_QSFP3_MODPRSL_1V8: U1.J26(IO_L15N_T2L_N5_AD11N_45) U21.8(A7)
CHA_QSFP3_MODSEIL: J7.8(MODSELL) U21.15(B5)
CHA_QSFP3_MODSEIL_1V8: U1.G27(IO_L14N_T2L_N3_GC_45) U21.6(A5)
CHA_QSFP3_RESETL: J7.9(RESETL) U21.14(B6)
CHA_QSFP3_RESETL_1V8: U1.K26(IO_L15P_T2L_N4_AD11P_45) U21.7(A6)
CHA_QSFP3_RX0_N: J7.18(RX1N) U1.R1(MGTYRXN0_227)
CHA_QSFP3_RX0_P: J7.17(RX1P) U1.R2(MGTYRXP0_227)
CHA_QSFP3_RX1_N: J7.21(RX2N) U1.N1(MGTYRXN1_227)
CHA_QSFP3_RX1_P: J7.22(RX2P) U1.N2(MGTYRXP1_227)
CHA_QSFP3_RX2_N: J7.15(RX3N) U1.L1(MGTYRXN2_227)
CHA_QSFP3_RX2_P: J7.14(RX3P) U1.L2(MGTYRXP2_227)
CHA_QSFP3_RX3_N: J7.24(RX4N) U1.J1(MGTYRXN3_227)
CHA_QSFP3_RX3_P: J7.25(RX4P) U1.J2(MGTYRXP3_227)
CHA_QSFP3_TX0_N: J7.37(TX1N) U1.P4(MGTYTXN0_227)
CHA_QSFP3_TX0_P: J7.36(TX1P) U1.P5(MGTYTXP0_227)
CHA_QSFP3_TX1_N: J7.2(TX2N) U1.M4(MGTYTXN1_227)
CHA_QSFP3_TX1_P: J7.3(TX2P) U1.M5(MGTYTXP1_227)
CHA_QSFP3_TX2_N: J7.34(TX3N) U1.K4(MGTYTXN2_227)
CHA_QSFP3_TX2_P: J7.33(TX3P) U1.K5(MGTYTXP2_227)
CHA_QSFP3_TX3_N: J7.5(TX4N) U1.H4(MGTYTXN3_227)
CHA_QSFP3_TX3_P: J7.6(TX4P) U1.H5(MGTYTXP3_227)
CHA_QSFP3_VCCI: C492.1 C493.1(CAP2) J7.30(VCCL) L27.2
CHA_QSFP3_VCCRX: C488.1 C489.1(CAP2) J7.10(VCCRX) L25.2
CHA_QSFP3_VCCTX: C490.1 C491.1(CAP2) J7.29(VCCTX) L26.2
CHA_QSFP4_I2C_SCL: J9.11(SCL) R254.2 R509.2
CHA_QSFP4_I2C_SDA: J9.12(SDA) R255.2 R508.2
CHA_QSFP4_INTL: J9.28(INTL) R257.2
CHA_QSFP4_LPMODE: J9.31(LPMODE) U22.16(B4)
CHA_QSFP4_LPMODE_1V8: U1.P24(IO_L21P_T3L_N4_AD8P_45) U22.5(A4)
CHA_QSFP4_MODPRSL: J9.27(MODPRSL) R256.2 U22.17(B3)
CHA_QSFP4_MODPRSL_1V8: U1.L23(IO_L23P_T3U_N8_45) U22.4(A3)
CHA_QSFP4_MODSEIL: J9.8(MODSELL) U22.20(B1)
CHA_QSFP4_MODSEIL_1V8: U1.K23(IO_L23N_T3U_N9_45) U22.1(A1)
CHA_QSFP4_RESETL: J9.9(RESETL) U22.18(B2)
CHA_QSFP4_RESETL_1V8: U1.L24(IO_L20P_T3L_N2_AD1P_45) U22.3(A2)
CHA_QSFP4_RX0_N: J9.18(RX1N) U1.AV37(MGTYRXN0_124)
CHA_QSFP4_RX0_P: J9.17(RX1P) U1.AV36(MGTYRXP0_124)
CHA_QSFP4_RX1_N: J9.21(RX2N) U1.AU39(MGTYRXN1_124)
CHA_QSFP4_RX1_P: J9.22(RX2P) U1.AU38(MGTYRXP1_124)
CHA_QSFP4_RX2_N: J9.15(RX3N) U1.AR39(MGTYRXN2_124)
CHA_QSFP4_RX2_P: J9.14(RX3P) U1.AR38(MGTYRXP2_124)
CHA_QSFP4_RX3_N: J9.24(RX4N) U1.AN39(MGTYRXN3_124)
CHA_QSFP4_RX3_P: J9.25(RX4P) U1.AN38(MGTYRXP3_124)
CHA_QSFP4_TX0_N: J9.37(TX1N) U1.AW34(MGTYTXN0_124)
CHA_QSFP4_TX0_P: J9.36(TX1P) U1.AW33(MGTYTXP0_124)
CHA_QSFP4_TX1_N: J9.2(TX2N) U1.AU34(MGTYTXN1_124)
CHA_QSFP4_TX1_P: J9.3(TX2P) U1.AU33(MGTYTXP1_124)
CHA_QSFP4_TX2_N: J9.34(TX3N) U1.AT36(MGTYTXN2_124)
CHA_QSFP4_TX2_P: J9.33(TX3P) U1.AT35(MGTYTXP2_124)
CHA_QSFP4_TX3_N: J9.5(TX4N) U1.AP36(MGTYTXN3_124)
CHA_QSFP4_TX3_P: J9.6(TX4P) U1.AP35(MGTYTXP3_124)
CHA_QSFP4_VCCI: C501.1 C502.1(CAP2) J9.30(VCCL) L30.2